# Altium PCB 物联网通用工装板V4(2).PcbDoc (part 1 of 2)
Units mil, origin at the board's own origin, x right, y up, seen from the top; angles counter-clockwise.
Board outline 5118.11 x 2283.5 mil, 2 copper layers (Top Layer, Bottom Layer); 260 components, 222 nets, 814 pads, 478 vias.
Unrouted connection lines stored in the file: 4.
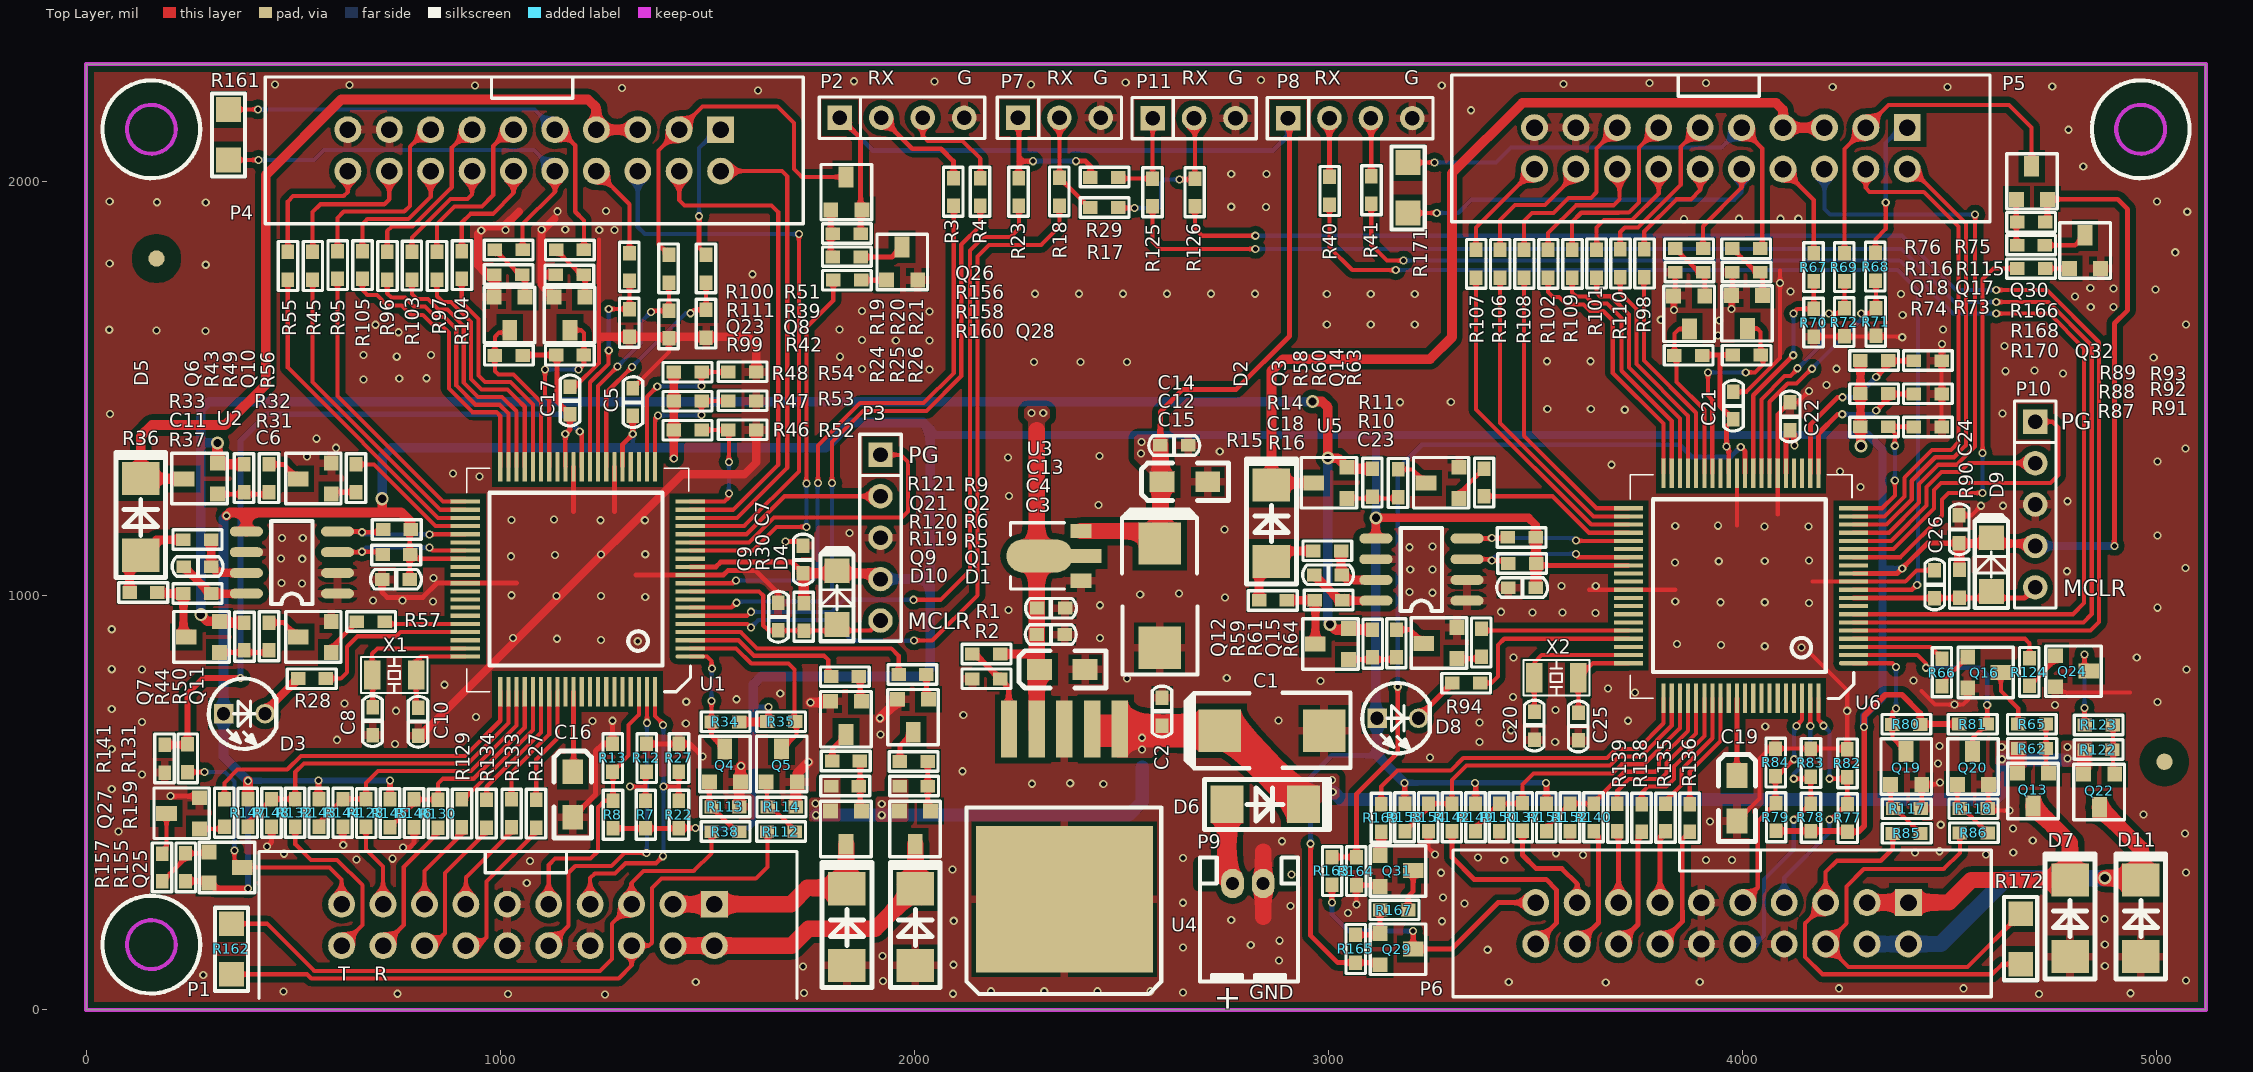
[diagram p0: Top Layer view]
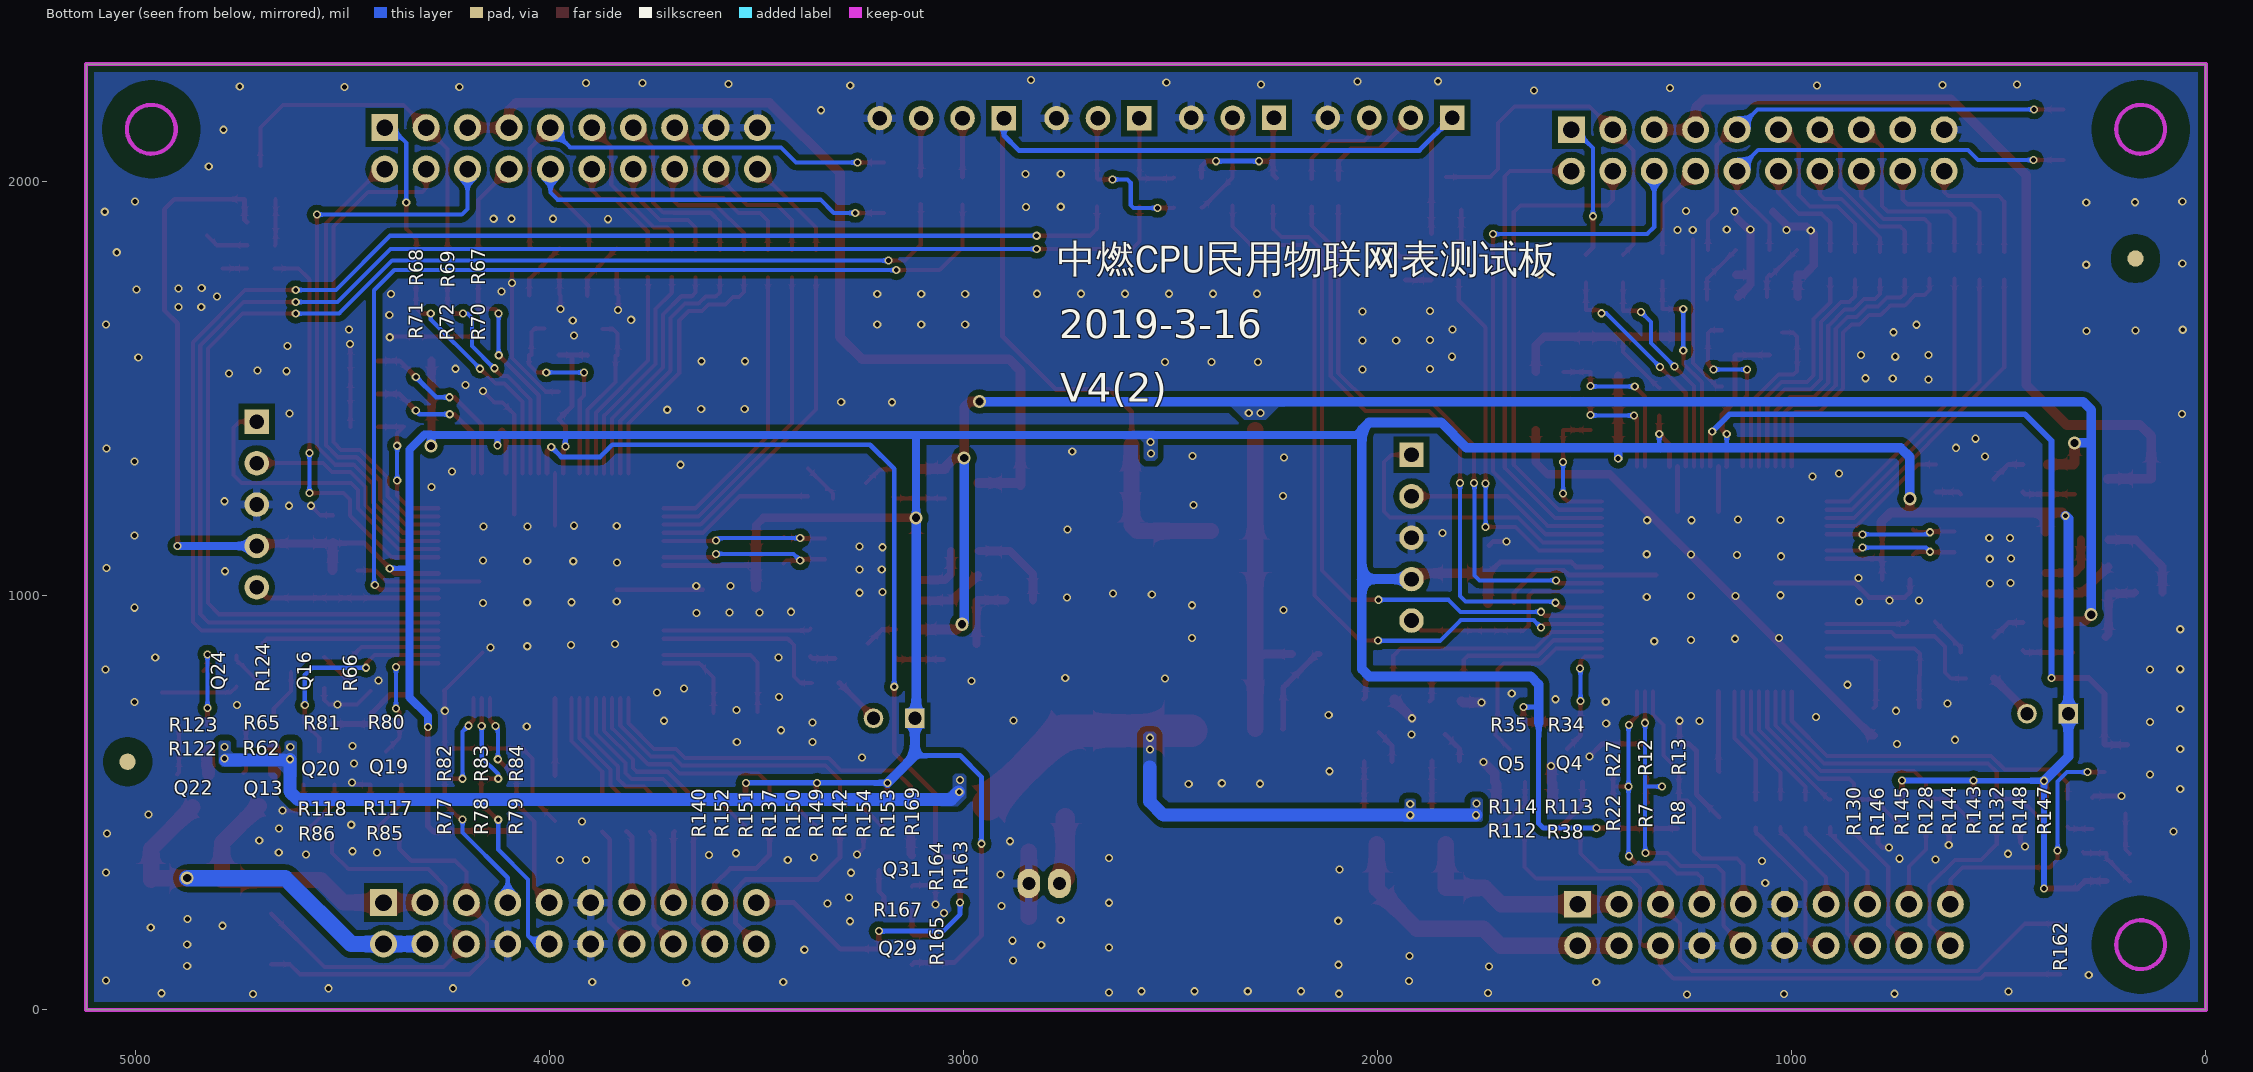
[diagram p1: Bottom Layer view, seen from below]

## Layer stack, top to bottom
Top Solder: solder mask 0.4, Solder Resist, Dk 3.5
Top Layer: signal copper 1.4
Dielectric 1: dielectric 12.6, FR-4, Dk 4.8
Bottom Layer: signal copper 1.4
Bottom Solder: solder mask 0.4, Solder Resist, Dk 3.5

## Board outline
0,-0.04 5118.11,-0.04 5118.11,2283.46 0,2283.46

## Design rules (kind name [scope] priority, off if disabled: settings)
Clearance Clearance_2 [OnLayer('Mid-Layer 2')] p1: gap=13.78 ignorepadtopadclearanceinfootprint=FALSE except(0: Arc-Hole Track-Hole SMDPad-Hole THPad-Hole Via-Hole Fill-Hole Poly-Hole Region-Hole Text-Hole)
Clearance Clearance_1 [OnLayer('Mid-Layer 1')] p2: gap=23.62 ignorepadtopadclearanceinfootprint=FALSE except(0: Arc-Hole Track-Hole SMDPad-Hole THPad-Hole Via-Hole Fill-Hole Poly-Hole Region-Hole Text-Hole)
Clearance Polygon [InPolygon] p3: gap=13.78 ignorepadtopadclearanceinfootprint=FALSE except(0: Arc-Hole Track-Hole SMDPad-Hole THPad-Hole Via-Hole Fill-Hole Poly-Hole Region-Hole Text-Hole)
Clearance [All] p4: gap=7.87 ignorepadtopadclearanceinfootprint=FALSE except(0: Arc-Hole Track-Hole SMDPad-Hole THPad-Hole Via-Hole Fill-Hole Poly-Hole Region-Hole Text-Hole)
ComponentClearance [All] p1 off: gap=10 collisioncheckmode=3 verticalgap=10 showdistances=FALSE
FabricationTestPointUsage TestPointUsage [All] p1: valid=0 allowmultiple=FALSE
FabricationTestpoint Testpoint [(IsPad And (OnTopLayer Or OnBottomLayer))] p1: side=3 testpointundercomponent=TRUE minsize=40 maxsize=100 preferedsize=60 minholesize=0 maxholesize=40 preferedholesize=32 testpointgrid=1 allowsidetop=TRUE allowsidebottom=TRUE usegrid=TRUE gridtolerance=0.01
HoleSize [All] p1: absolutevalues=TRUE maxlimit=393.7 minlimit=0.98 maxpercent=80.000 minpercent=20.000
HoleToHoleClearance [All] p1: gap=0 allowstackedmicrovias=TRUE
MinimumSolderMaskSliver [All] p1: minsoldermaskwidth=0
NetAntennae [All] p1 off: netantennaetolerance=0
PlaneConnect [InNet('GND')] p1: planeconnectstyle=Relief reliefexpansion=20 reliefentries=4 reliefconductorwidth=19.68 reliefairgap=10
PolygonConnect Polygon_Via [Isvia] p1: connectstyle=Direct reliefconductorwidth=10 reliefentries=4 polygonreliefangle="90 Angle" airgapwidth=10
PolygonConnect Polygon_GND [InNet('GND')] p2: connectstyle=Relief reliefconductorwidth=19.68 reliefentries=4 polygonreliefangle="90 Angle" airgapwidth=10
PolygonConnect Polygon_all [All] p3: connectstyle=Direct reliefconductorwidth=20 reliefentries=4 polygonreliefangle="90 Angle" airgapwidth=10
RoutingVias [All] p1: holewidth=11.81 width=19.68 viastyle="Through Hole" minholewidth=11.81 minwidth=19.68 maxholewidth=28 maxwidth=50
SilkToBoardRegionClearance [All] p1 off:
SilkToSilkClearance [All] p1: silktosilkclearance=0
SilkToSolderMaskClearance SilkscreenOverComponentPads [IsPad] p1: minsilkscreentomaskgap=0 clearancetoexposedcopper=TRUE
SolderMaskExpansion [All] p1: expansion=4
Width [All] p1: maxlimit=300 minlimit=8 preferedwidth=11.81 minimp=50.000000 maximp=50.000000 favimp=50.000000
19 further rules are at their usual default settings.

## Classes and differential pairs
component class 工装板V4(2)-A: C1 C2 C3 C4 C5 C6 C7 C8 C9 C10 C11 C12 C13 C14 C15 C16 C17 D1 D3 D4 D5 D6 D10 P1 P3 P4 P7 P9 Q1 Q2 Q4 Q5 Q6 Q7 Q8 Q9 Q10 Q11 Q21 Q23 Q25 Q26 Q27 Q28 R1 R2 R5 R6 R7 R8 R9 R13 R18 R19 R20 R21 R22 R23 R24 R25 R26 R27 R28 R30 R31 R32 R33 R34 R35 R36 R37 R38 R39 R42 R43 R44 R45 R46 R47 R48 R49 R50 R51 R52 R53 R54 R55 R56 R57 R95 R96 R97 R99 R100 R103 R104 R105 R111 R112 R113 R114 R119 R120 R121 R127 R128 R129 R130 R131 R132 R133 R134 R141 R143 R144 R145 R146 R147 R148 R155 R156 R157 R158 R159 R160 R161 R162 U1 U2 U3 U4 X1
component class 工装板V4(2)-B: C18 C19 C20 C21 C22 C23 C24 C25 C26 D2 D7 D8 D9 D11 P5 P6 P8 P10 P11 Q3 Q12 Q13 Q14 Q15 Q16 Q17 Q18 Q19 Q20 Q22 Q24 Q29 Q30 Q31 Q32 R10 R11 R14 R15 R16 R17 R29 R40 R41 R58 R59 R60 R61 R62 R63 R64 R65 R66 R67 R68 R69 R70 R71 R72 R73 R74 R75 R76 R77 R78 R79 R80 R81 R82 R83 R84 R85 R86 R87 R88 R89 R90 R91 R92 R93 R94 R98 R101 R102 R106 R107 R108 R109 R110 R115 R116 R117 R118 R122 R123 R124 R125 R126 R135 R136 R137 R138 R139 R140 R142 R149 R150 R151 R152 R153 R154 R163 R164 R165 R166 R167 R168 R169 R170 R171 R172 U5 U6 X2

## Components (designator, comment, footprint, x,y, rotation, side; value= is the part's Value field where it differs from the comment)
C1 "220uF/10V" 7343 2863,674 r0 top
C2 "0.1uF" C0603 2598,753 r270 top
C3 "220uF/10V" 3216 2302,822 r180 top
C4 "1uF" C0603 2362,906 r180 top
C5 "0.1uF" C0603 1320,1434.49 r90 top
C6 "0.1uF" C0603 781,1039 r180 top
C7 "0.1uF" C0603 1731,1054.49 r90 top
C8 "22pF" C0603 692,730 r270 top
C9 "0.1uF" C0603 1671,916.49 r90 top
C10 "22pF" C0603 802,728.49 r270 top
C11 "0.1uF" C0603 302,1070 r180 top
C12 "10uF/16V" 3216 2598,1275 r180 top
C13 "0.1uF" C0603 2297,970 r0 top
C14 "0.1uF" C0603 2594.49,1363 r0 top
C15 "220uF" 7343 2592,1000 r270 top
C16 "10uF/16V" 3216 1175,575 r90 top
C17 "0.1uF" C0603 1168,1438.49 r90 top
C18 "0.1uF" C0603 3031.51,1050 r180 top
C19 "10uF/16V" 3216 3986,566 r90 top
C20 "22pF" C0603 3497,719 r270 top
C21 "0.1uF" C0603 3977,1426 r90 top
C22 "0.1uF" C0603 4114,1400 r90 top
C23 "0.1uF" C0603 3500,1019 r180 top
C24 "0.1uF" C0603 4522,1127.49 r90 top
C25 "22pF" C0603 3603,717 r270 top
C26 "0.1uF" C0603 4463,994.49 r90 top
D1 "SS12" DO-214AC 2002,200 r90 top
D2 "SS12" DO-214AC 2862,1175 r90 top
D3 "RED" LED-3mm 332,715 r90 top
D4 "1N4148" LL34 1813,995 r90 top
D5 "SS12" DO-214AC 132,1190 r90 top
D6 "SS12" DO-214AC 2847,496 r0 top
D7 "SS12" DO-214AC 4790,221 r90 top
D8 "RED" LED-3mm 3117,704 r90 top
D9 "1N4148" LL34 4600,1075 r90 top
D10 "SS12" DO-214AC 1837,200 r90 top
D11 "SS12" DO-214AC 4961,221 r90 top
P1 "" PHD254_2X10P 1067,205 r270 top locked
P2 "Header 4" HDR1X4 1820,2154 r0 top
P3 "Header 5" HDR1X5 1918,1340 r270 top
P4 "" PHD254_2X10P 1082,2075 r270 top
P5 "" PHD254_2X10P 3947,2080 r270 top locked
P6 "" PHD254_2X10P 3950,209 r270 top locked
P7 "Header 3" HDR1X3 2250,2154 r0 top
P8 "Header 4" HDR1X4 2902,2153 r0 top
P9 "Header 2" XH-2-2.0-V-S 2847,305 r0 top
P10 "Header 5" HDR1X5 4706,1420 r270 top
P11 "Header 3" HDR1X3 2575,2153 r0 top
Q1 "RZR040P01TL" SOT-23-MOS 2002,445 r180 top
Q2 "9013" SOT-23-TRAN 1997,715 r180 top
Q3 "RZR040P01TL" SOT-23-MOS 3009,1272 r90 top
Q4 "9013" SOT-23-TRAN 1542,585 r0 top
Q5 "9013" SOT-23-TRAN 1679,585 r0 top
Q6 "RZR040P01TL" SOT-23-MOS 282,1282 r90 top
Q7 "RZR040P01TL" SOT-23-MOS 287,900 r90 top
Q8 "9013" SOT-23-TRAN 1168,1686 r180 top
Q9 "RZR040P01TL" SOT-23-MOS 1835,445 r180 top
Q10 "9013" SOT-23-TRAN 557,1282 r90 top
Q11 "9013" SOT-23-TRAN 557,900 r90 top
Q12 "RZR040P01TL" SOT-23-MOS 3013,883 r90 top
Q13 "RZR040P01TL" SOT-23-MOS 4701,537 r180 top
Q14 "9013" SOT-23-TRAN 3280,1272 r90 top
Q15 "9013" SOT-23-TRAN 3275,885 r90 top
Q16 "9013" SOT-23-TRAN 4578,815 r270 top
Q17 "9013" SOT-23-TRAN 4011,1690 r180 top
Q18 "9013" SOT-23-TRAN 3871,1689 r180 top
Q19 "9013" SOT-23-TRAN 4394,579 r0 top
Q20 "9013" SOT-23-TRAN 4555,579 r0 top
Q21 "9013" SOT-23-TRAN 1835,710 r180 top
Q22 "RZR040P01TL" SOT-23-MOS 4861,534 r180 top
Q23 "9013" SOT-23-TRAN 1023,1686 r180 top
Q24 "9013" SOT-23-TRAN 4790,818 r270 top
Q25 "RZR040P01TL" SOT-23-MOS 332,344 r270 top
Q26 "RZR040P01TL" SOT-23-MOS 1835,1966 r0 top
Q27 "9013" SOT-23-TRAN 239,474 r90 top
Q28 "9013" SOT-23-TRAN 1970,1797 r0 top
Q29 "RZR040P01TL" SOT-23-MOS 3159,147 r270 top
Q30 "RZR040P01TL" SOT-23-MOS 4697.42,1992 r0 top
Q31 "9013" SOT-23-TRAN 3159,336 r270 top
Q32 "9013" SOT-23-TRAN 4826,1825 r0 top
R1 "200K" R0603 2207,859 r180 top
R2 "30K" R0603 2207,799 r180 top
R3 "1K" R0603 2094,2008 r270 top
R4 "1K" R0603 2159,2008 r270 top
R5 "10k" R0603 2032,540 r180 top
R6 "10k" R0603 1965,600 r0 top
R7 "1M" R0603 1351,438 r90 top
R8 "1M" R0603 1272,438 r90 top
R9 "3k" R0603 1962,810 r0 top
R10 "10k" R0603 3434,1078 r0 top
R11 "10K" R0603 3433,1141 r0 top
R12 "100K" R0603 1353,575 r90 top
R13 "100K" R0603 1271,575 r90 top
R14 "10" R0603 3030,1108 r180 top
R15 "100" R0603 2832,989 r0 top
R16 "10" R0603 3033,989 r180 top
R17 "5R1" R0603 2492,1937 r180 top
R18 "5R1" R0603 2350,2009 r270 top
R19 "1M" R0603 1312,1827 r270 top
R20 "1M" R0603 1407,1823 r270 top
R21 "1M" R0603 1497,1823 r270 top
R22 "1M" R0603 1431,438 r90 top
R23 "5R1" R0603 2252,2008 r270 top
R24 "100K" R0603 1312,1692 r270 top
R25 "100K" R0603 1407,1688 r270 top
R26 "100K" R0603 1497,1690 r270 top
R27 "100K" R0603 1431,575 r90 top
R28 "100R" R0603 512,800 r0 top
R29 "5R1" R0603 2492,2010 r180 top
R30 "10k" R0603 1733,982 r270 top
R31 "10k" R0603 716,1099 r0 top
R32 "10K" R0603 717,1160 r0 top
R33 "10" R0603 302,1135 r180 top
R34 "10k" R0603 1577,695 r180 top
R35 "10k" R0603 1645,696 r0 top
R36 "100" R0603 105,1008 r0 top
R37 "10" R0603 302,1005 r180 top
R38 "3k" R0603 1577,430 r180 top
R39 "20k" R0603 1134,1775 r0 top
R40 "1k" R0603 3002,1944 r90 top
R41 "1k" R0603 3103,1946 r90 top
R42 "10k" R0603 1135,1581 r0 top
R43 "10k" R0603 382,1317 r270 top
R44 "10k" R0603 382,868 r90 top
R45 "1k" R0603 547,1763 r90 top
R46 "20k" R0603 1419,1400 r0 top
R47 "20k" R0603 1419,1470 r0 top
R48 "20k" R0603 1419,1540 r0 top
R49 "10k" R0603 442,1317 r270 top
R50 "10k" R0603 442,935 r270 top
R51 "3k" R0603 1135,1835 r0 top
R52 "0R" R0603 1618,1400 r180 top
R53 "0R" R0603 1618,1470 r180 top
R54 "0R" R0603 1618,1540 r180 top
R55 "1k" R0603 487,1763 r90 top
R56 "3k" R0603 652,1317 r270 top
R57 "3k" R0603 721,937 r180 top
R58 "10k" R0603 3106,1306 r270 top
R59 "10k" R0603 3106,851 r90 top
R60 "10k" R0603 3168,1305 r270 top
R61 "10k" R0603 3164,918 r270 top
R62 "10k" R0603 4732,631 r180 top
R63 "3k" R0603 3375,1240 r90 top
R64 "3k" R0603 3369,920 r270 top
R65 "10k" R0603 4665,690 r0 top
R66 "3k" R0603 4481,848 r270 top
R67 "1M" R0603 4171.35,1826.44 r270 top
R68 "1M" R0603 4320.35,1827.44 r270 top
R69 "1M" R0603 4245.5,1826.44 r270 top
R70 "100K" R0603 4171.35,1692.44 r270 top
R71 "100K" R0603 4321.35,1694.44 r270 top
R72 "100K" R0603 4245.35,1693.44 r270 top
R73 "10k" R0603 3976,1581 r0 top
R74 "10k" R0603 3902,1580 r180 top
R75 "3k" R0603 3975,1838 r0 top
R76 "3k" R0603 3837,1838 r0 top
R77 "1M" R0603 4253,430 r90 top
R78 "1M" R0603 4164,431 r90 top
R79 "1M" R0603 4080,432 r90 top
R80 "10k" R0603 4428,689 r180 top
R81 "10k" R0603 4522,690 r0 top
R82 "100K" R0603 4252,562 r90 top
R83 "100K" R0603 4164,563 r90 top
R84 "100K" R0603 4079,564 r90 top
R85 "3k" R0603 4429,426 r180 top
R86 "3k" R0603 4591,427 r180 top
R87 "20k" R0603 4284,1408 r0 top
R88 "20k" R0603 4284,1488 r0 top
R89 "20k" R0603 4284,1568 r0 top
R90 "10k" R0603 4523,1062 r270 top
R91 "0R" R0603 4480,1407 r180 top
R92 "0R" R0603 4480,1487 r180 top
R93 "0R" R0603 4480,1567 r180 top
R94 "100R" R0603 3299,789 r0 top
R95 "1k" R0603 607,1765 r90 top
R96 "1k" R0603 727,1763 r90 top
R97 "1k" R0603 847,1763 r90 top
R98 "1k" R0603 3762,1769 r90 top
R99 "10k" R0603 1054,1580 r180 top
R100 "3k" R0603 987,1835 r0 top
R101 "1k" R0603 3647,1835 r270 top
R102 "1k" R0603 3530,1768 r90 top
R103 "1k" R0603 787,1830 r270 top
R104 "1k" R0603 907,1765 r90 top
R105 "1k" R0603 667,1765 r90 top
R106 "1k" R0603 3414,1768 r90 top
R107 "1k" R0603 3356,1768 r90 top
R108 "1k" R0603 3472,1768 r90 top
R109 "1k" R0603 3588,1768 r90 top
R110 "1k" R0603 3704,1769 r90 top
R111 "20k" R0603 1053,1775 r180 top
R112 "3k" R0603 1711,430 r180 top
R113 "20k" R0603 1510,490 r0 top
R114 "20k" R0603 1646,490 r0 top
R115 "20k" R0603 4042,1781 r180 top
R116 "20k" R0603 3904,1781 r180 top
R117 "20k" R0603 4363,486 r0 top
R118 "20k" R0603 4524,486 r0 top
R119 "10k" R0603 1866,540 r180 top
R120 "10k" R0603 1801,601 r0 top
R121 "3k" R0603 1799,805 r0 top
R122 "10k" R0603 4892,628 r180 top
R123 "10k" R0603 4826,688 r0 top
R124 "3k" R0603 4692,849 r270 top
R125 "5R1" R0603 2575,2007 r270 top
R126 "5R1" R0603 2677,2007 r270 top
R127 "5R1" R0603 1087,507 r270 top
R128 "5R1" R0603 676,442 r90 top
R129 "5R1" R0603 907,441 r90 top
R130 "5R1" R0603 850,507 r270 top
R131 "1M" R0603 245,574 r90 top
R132 "5R1" R0603 505,509 r270 top
R133 "5R1" R0603 1027,441 r90 top
R134 "5R1" R0603 967,507 r270 top
R135 "5R1" R0603 3813,431 r90 top
R136 "5R1" R0603 3872,497 r270 top
R137 "5R1" R0603 3468,432 r90 top
R138 "5R1" R0603 3756,497 r270 top
R139 "5R1" R0603 3697,431 r90 top
R140 "5R1" R0603 3640,498 r270 top
R141 "100K" R0603 190,640 r270 top
R142 "5R1" R0603 3298,498 r270 top
R143 "1M" R0603 562,509 r270 top
R144 "100K" R0603 620,509 r270 top
R145 "1M" R0603 734,508 r270 top
R146 "100K" R0603 792,508 r270 top
R147 "1M" R0603 391,509 r270 top
R148 "100K" R0603 448,509 r270 top
R149 "1M" R0603 3355,498 r270 top
R150 "100K" R0603 3412,498 r270 top
R151 "1M" R0603 3526,498 r270 top
R152 "100K" R0603 3583,498 r270 top
R153 "1M" R0603 3184,498 r270 top
R154 "100K" R0603 3241,498 r270 top
R155 "10k" R0603 240,311 r90 top
R156 "10k" R0603 1870,1874 r180 top
R157 "10k" R0603 184,377 r270 top
R158 "10k" R0603 1870,1818 r180 top
R159 "3k" R0603 334,509 r270 top
R160 "3k" R0603 1804,1762 r0 top
R161 "300R" R1206 344,2112 r270 top
R162 "300R" R1206 351,146 r270 top
R163 "1M" R0603 3008,302 r90 top
R164 "100K" R0603 3067,368 r270 top
R165 "10k" R0603 3065,114 r90 top
R166 "10k" R0603 4663,1902 r0 top
R167 "10k" R0603 3192,241 r180 top
R168 "10k" R0603 4729,1846 r180 top
R169 "3k" R0603 3127,497 r270 top
R170 "3k" R0603 4663,1790 r0 top
R171 "300R" R1206 3192,1984 r270 top
R172 "300R" R1206 4671,172 r90 top
U1 "PIC24FJ128GA308" LQFP-80 1187,1040 r180 top
U2 "INA219" SO-8 607,1005 r180 top
U3 "S-1206B33" SOT-89 2402,1036 r90 top
U4 "SPX29302T5" TO-263 2495.86,678.42 r180 top value=1K
U5 "INA219" SO-8 3334,988 r180 top
U6 "PIC24FJ128GA308" LQFP-80 3995.65,1024.01 r180 top
X1 "32.768K" XTAL-2S 797,808.49 r180 top
X2 "32.768K" XTAL-2S 3603,802 r180 top

## Footprints (in the part's own frame and the unit in brackets; to place one, negate y for a bottom-side part, rotate by r counter-clockwise, add the part's x,y. Pads: shape width x height; smd on the part's side, far side on the other; paste and mask are expansions set on the pad)
3216 [mil]
  rect 60x50 smd: 1(0,0) 2(-110,0)
  silkscreen extent -160,-45 50,45, body extent -122,-35 12,35, height 71
7343 [mm] "Capacitor, SM Tantalum; Body 7.3 x 4.3 mm (LxW typ)"
  rect 2.6x2.6 smd: 1(-3.2,0) 2(3.2,0)
  silkscreen extent -5.28,-2.3 4.83,2.33, body extent -3.8,-2.29 3.8,2.31, height 3.1
C0603 [mil]
  rect 35x31 smd: 1(-0.49,0) 2(66.51,0)
  silkscreen extent -29,-24 94,23, body extent 1,-15 72,15, height 20
DO-214AC [mil]
  rect 80x90.55 smd: 1(-92.5,0) 2(92.5,0)
  silkscreen extent -146,-60 156,60, body extent -91,-53 90,53, height 94
HDR1X3 [mm] "Connector; Header; 3 Position"
  rect 1.5x1.5 hole 0.9: 1(0,0)
  round 1.5 hole 0.9: 2(2.54,0) 3(5.08,0)
  silkscreen extent -1.27,-1.27 6.35,1.27
HDR1X4 [mm] "Connector; Header; 4 Position"
  rect 1.5x1.5 hole 0.9: 1(0,0)
  round 1.5 hole 0.9: 2(2.54,0) 3(5.08,0) 4(7.62,0)
  silkscreen extent -1.27,-1.27 8.89,1.27, body extent -1.3,-1.3 8.86,1.24, height 8.54
HDR1X5 [mm] "Connector; Header; 5 Position"
  rect 1.5x1.5 hole 0.9: 1(0,0)
  round 1.5 hole 0.9: 2(2.54,0) 3(5.08,0) 4(7.62,0) 5(10.16,0)
  silkscreen extent -1.27,-1.27 11.43,1.27, body extent -1.27,-1.27 11.43,1.27, height 8.54
LED-3mm [mm]
  rect 1.2x1.2 hole 0.813: 1(0,0)
  round 1.2 hole 0.813: 2(0,-2.54)
  silkscreen extent -2.16,-3.23 2.16,0.91, body extent -1.65,-2.91 1.64,0.39, height 5.51
LL34 [mil] "1N4148"
  rect 60x60 smd: 1(-65,0) 2(65,0)
  silkscreen extent -105,-40 120,40, body extent -69,-34 69,26, height 61
LQFP-80 [mm]
  oval 1.8x0.254 smd: 1(-6.9,4.75)
  rect 1.8x0.254 smd: 2(-6.9,4.25) 3(-6.9,3.75) 4(-6.9,3.25) 5(-6.9,2.75) 6(-6.9,2.25) 7(-6.9,1.75) 8(-6.9,1.25) 9(-6.9,0.75) 10(-6.9,0.25) 11(-6.9,-0.25) 12(-6.9,-0.75) 13(-6.9,-1.25) 14(-6.9,-1.75) 15(-6.9,-2.25) 16(-6.9,-2.75) 17(-6.9,-3.25) 18(-6.9,-3.75) 19(-6.9,-4.25) 20(-6.9,-4.75) 41(6.9,-4.75) 42(6.9,-4.25) 43(6.9,-3.75) 44(6.9,-3.25) 45(6.9,-2.75) 46(6.9,-2.25) 47(6.9,-1.75) 48(6.9,-1.25) 49(6.9,-0.75) 50(6.9,-0.25) 51(6.9,0.25) 52(6.9,0.75) 53(6.9,1.25) 54(6.9,1.75) 55(6.9,2.25) 56(6.9,2.75) 57(6.9,3.25) 58(6.9,3.75) 59(6.9,4.25) 60(6.9,4.75)
  rect 0.254x1.8 smd: 21(-4.75,-6.9) 22(-4.25,-6.9) 23(-3.75,-6.9) 24(-3.25,-6.9) 25(-2.75,-6.9) 26(-2.25,-6.9) 27(-1.75,-6.9) 28(-1.25,-6.9) 29(-0.75,-6.9) 30(-0.25,-6.9) 31(0.25,-6.9) 32(0.75,-6.9) 33(1.25,-6.9) 34(1.75,-6.9) 35(2.25,-6.9) 36(2.75,-6.9) 37(3.25,-6.9) 38(3.75,-6.9) 39(4.25,-6.9) 40(4.75,-6.9) 61(4.75,6.9) 62(4.25,6.9) 63(3.75,6.9) 64(3.25,6.9) 65(2.75,6.9) 66(2.25,6.9) 67(1.75,6.9) 68(1.25,6.9) 69(0.75,6.9) 70(0.25,6.9) 71(-0.25,6.9) 72(-0.75,6.9) 73(-1.25,6.9) 74(-1.75,6.9) 75(-2.25,6.9) 76(-2.75,6.9) 77(-3.25,6.9) 78(-3.75,6.9) 79(-4.25,6.9) 80(-4.75,6.9)
  silkscreen extent -6.92,-6.81 6.8,6.91, body extent -7.1,-7.1 7.1,7.1, height 1.6
PHD254_2X10P [mil]
  rect 65x65 hole 40: 1(-50,450)
  round 65 hole 40: 2(50,450) 3(-50,350) 4(50,350) 5(-50,250) 6(50,250) 7(-50,150) 8(50,150) 9(-50,50) 10(50,50) 11(-50,-50) 12(50,-50) 13(-50,-150) 14(50,-150) 15(-50,-250) 16(50,-250) 17(-50,-350) 18(50,-350) 19(-50,-450) 20(50,-450)
  silkscreen extent -177,-650 177,650
R0603 [mil]
  rect 35x31 smd: 1(0,0) 2(67,0)
  silkscreen extent -26,-24 92,23, body extent 0,-15 71,15, height 12
R1206 [mil]
  rect 60x60 smd: 1(-62,0) 2(60.05,0)
  silkscreen extent -101,-40 100,40, body extent -102,-29 91,29, height 20
SO-8 [mil]
  oval 80x24 smd: 1(0,0) 2(0,-50) 3(0,-100) 4(0,-150) 5(220,-150) 6(220,-100) 7(220,-50) 8(220,0)
  silkscreen extent 60,-175 160,25, body extent -7,-171 229,21, height 67
SOT-23-MOS [mil]
  rect 36x50 smd: D(0,45)
  rect 36x36 smd: G(-37,-35) S(38,-35)
  silkscreen extent -60,-59 62,75, body extent -60,-41 58,57, height 41
SOT-23-TRAN [mil]
  rect 36x36 smd: B(-37,-35) E(38,-35)
  rect 36x50 smd: C(0,45)
  silkscreen extent -60,-59 62,75, body extent -60,-41 58,57, height 41
SOT-89 [mil]
  rect 34x50 smd: 1(0,0) 3(120,0)
  oval 80x160 smd: 2(60,100)
  rect 34x100 smd: 2(60,0)
  silkscreen extent -20,40 140,170, body extent -29,-3 149,155, height 59
TO-263 [mm]
  rect 1x3.5 smd: 1(0,0) 2(1.7,0) 3(3.4,0) 4(5.1,0) 5(6.8,0)
  rect 10.85x9 smd: 6(3.4,10.45)
  silkscreen extent -2.54,4.83 9.4,16.26, body extent -1.75,-1.07 8.55,14.16, height 4.5
XH-2-2.0-V-S [mm]
  oval 1.4x1.8 hole 0.8: 1(-0.127,0) 2(-2,0)
  silkscreen extent -4,-6 2,1.6, body extent -4.06,-5.84 1.91,1.4, height 5
XTAL-2S [mm]
  rect 1x1.8 smd: 1(0,0) 2(2.7,0)
  silkscreen extent -0.69,-1.09 3.38,1.09, body extent -0.25,-0.99 2.95,0.99, height 0.7

## Part data
C1 C3 C12 C16 C19: library part CAP-POL2, "钽电容"
C2 C4 C5 C6 C7 C8 C9 C10 C11 C13 C14 C17 C18 C20 C21 C22 C23 C24 C25 C26: library part CAP, "无极性电容"
C15: library part CAP-POL1, "电解电容"
D1 D2 D5 D7 D10 D11: library part "D-Sotk   PASS", "肖特基二极管"
D3 D8: library part LED
D4 D9: library part DIODE, "Diode"
D6: library part D-Sotk, "肖特基二极管"
P1 P4 P5 P6: library part "Header 10X2  PASS", "Header, 10-Pin, Dual row"
P2 P8: "Header, 4-Pin"
P3 P10: "Header, 5-Pin"
P7 P11: "Header, 3-Pin"
P9: "Header, 2-Pin"
Q1 Q3 Q6 Q7 Q9 Q12 Q13 Q22 Q25 Q26 Q29 Q30: library part MOS-P, "P-channel  MOSFET"
Q2 Q4 Q5 Q8 Q10 Q11 Q14 Q15 Q16 Q17 Q18 Q19 Q20 Q21 Q23 Q24 Q27 Q28 Q31 Q32: library part NPN-S, "NPN Transistor"
R1 R2: library part RES2
R3 R4 R5 R6 R7 R8 R9 R10 R11 R12 R13 R14 R15 R16 R17 R18 R19 R20 R21 R22 R23 R24 R25 R26 R27 R28 R29 R30 R31 R32 R33 R34 R35 R36 R37 R38 R39 R42 R43 R44 R45 R49 R50 R51 R55 R56 R57 R58 R59 R60 R61 R62 R63 R64 R65 R66 R67 R68 R69 R70 R71 R72 R73 R74 R75 R76 R77 R78 R79 R80 R81 R82 R83 R84 R85 R86 R90 R94 R95 R96 R97 R98 R99 R100 R101 R102 R103 R104 R105 R106 R107 R108 R109 R110 R111 R112 R113 R114 R115 R116 R117 R118 R119 R120 R121 R122 R123 R124 R125 R126 R127 R128 R129 R130 R131 R132 R133 R134 R135 R136 R137 R138 R139 R140 R141 R142 R143 R144 R145 R146 R147 R148 R149 R150 R151 R152 R153 R154 R155 R156 R157 R158 R159 R160 R161 R162 R163 R164 R165 R166 R167 R168 R169 R170 R171 R172: library part RES
R40: library part Pro28.tmp_UnNamed_37
R41: library part RES11
R46 R47 R48 R52 R53 R54 R87 R88 R89 R91 R92 R93: library part RES, "电阻"
U1 U6: library part PIC24FJ64GA308
U2 U5: library part Component_2
U3: library part VOLTRER1
X1 X2: library part XTAL1, "晶振,2PIN"
U4: LatestRevisionDate=04-Mar-2005, LatestRevisionNote="PCB Footprint replaced.", PackageReference=J1-0603, Published=8-Jun-2000, Publisher="Altium Limited"

## Free pads (board coordinates)
  round 39.37 smd: 0(170,1814) 0(5018,599)
  round 39.37 smd far side: 1(170,1814) 1(5018,599)

## Via types
v1: diameter 19.68, hole 11.81, Top Layer to Bottom Layer, tented both sides, 469 vias
v2: diameter 31.5, hole 19.68, Top Layer to Bottom Layer, tented both sides, 9 vias

## Nets (pads, with @x,y where several pads share a name; then routed paths per layer and width w, separated by ;. In a path a pad name is that pad's centre, name@x,y a point inside that pad or via, vN(x,y) a via of type N, cw(c..) or ccw(c..) an arc to the next point about the centre after c; other vN are vias at no path point)
3.3V: C5.1 C6.1 C7.1 C12.1 C14.1 C15.1 C17.1 C21.1 C22.1 C23.1 C24.1 D3.1 D4.2 D8.1 D9.2 P2.1 P3.4 P8.1 P10.4 Q25.S Q26.S Q29.S Q30.S R7.1 R8.1 R10.2 R11.2 R22.1 R30.1 R31.2 R32.2 R34.1 R35.1 R42.1 R46.1 R47.1 R48.1 R73.1 R74.1 R77.1 R78.1 R79.1 R80.1 R81.1 R87.1 R88.1 R89.1 R90.1 R99.1 R143.1 R145.1 R147.1 R149.1 R151.1 R153.1 R155.1 R156.1 R165.1 R166.2 U1.12 U1.25 U1.32 U1.48 U2.5 U3.3 U5.5 U6.12 U6.25 U6.32 U6.48 | length 19410.3
  Top Layer w11.81: C6.1@781.49,1039 R32.2@781.49,1152.51 ; R31.2@783,1099 783,1090.51 781.7,1089.21 U1.48@915.35,1089.21 ; R99.1@1054,1581 R42.1@1135,1581 1136.88,1579.12 1136.88,1469.12 C17.1@1168,1438 1168,1401 v1(1157,1390) 1157,1312.13 U1.32@1157.47,1311.65 ; R8.1@1276,438 R7.1@1351,438 R22.1@1427,438 ; U1.25@1295.27,1311.65 1295.27,1365.27 v1(1320,1390) C5.1@1320,1434 ; R22.1@1431,438 1432,439 v1(1471,439) ; U1.12@1458.65,1069.53 1520.53,1069.53 1532,1081 1704,1081 C7.1@1731,1054 ; 1612,695 1613,696 ; R35.1@1648,696 v1(1648,731) ; P2.1@1820,2154 1870,2104 R156.1@1870,1874 ; C14.1@2594,1363 2594,1444 2648,1498 2777,1498 2905.59,1626.59 2905.59,2149.41 P8.1@2902,2153 ; v1(2956.62,401) 2956.62,179.38 3022,114 R165.1@3065,114 3119,114 Q29.S@3124,109 ; R10.2@3501,1078 3505.78,1073.22 U6.48@3724,1073.22 ; R74.1@3907,1580 3908,1581 3948,1581 ; U6.32@3966.13,1295.66 3966.13,1354.87 v1(3961,1360) 3961,1409.51 C21.1@3977,1425.51 3945,1457.51 3945,1578 3948,1581 ; R73.1@3976,1581 3948,1581 ; U6.25@4103.92,1295.66 4103.92,1390.43 C22.1@4113,1399.51 ; U6.12@4267.31,1053.53 4372.53,1053.53 v1(4385,1066) 4446,1127 C24.1@4522,1127 ; R166.2@4730,1902 4735.42,1907.42 Q30.S@4735.42,1957 4905,1957 4929,1933 4929,1689 4897,1657 v1@4897,1127
  Top Layer w13.78: R155.1@240,311 292,311 Q25.S@297,306 310,293 v1(391,293) ; v1(561,554) 561,510 R143.1@562,509 ; R145.1@734,508 v1(734,554) ; v1(3183,548) 3184,547 R153.1@3184,498 ; v1(3353,548) 3355,546 R149.1@3355,498 ; v1(3525,548) 3526,547 R151.1@3526,498 ; R79.1@4080,432 4251,432 R77.1@4253,430 4279,430 4293,444 v1(4293,683) 4293,710 4344,761 4384,761 4428,717 R80.1@4428,689 4429,690 R81.1@4522,690 ; C22.1@4114,1399.51 4125,1388.51 v1(4125,1363)
  Top Layer w19.68: v1(1419,1331) R46.1@1419,1400 R48.1@1419,1531 ; R34.1@1577,695 1612,695 1647,695 R35.1@1648,696 ; U5.5@3114,1138 v2(3114,1188) 3483,1188 3500,1171 R11.2@3500,1141 ; R89.1@4284,1568 R88.1@4284,1488 4284,1362 v2(4285,1361) ; C24.1@4523,1126 4700,1126 P10.4@4706,1120
  Top Layer w23.62: v1(339,1193) 347,1201 387,1201 ; U2.5@387,1155 387,1201 ; R147.1@391,509 v1(391,553) ; v2(715,1234) 715,1203 717,1201 ; R32.2@784,1160 784,1178 761,1201 717,1201 ; R30.1@1733,982 1733,1052 C7.1@1731,1054 1904,1054 P3.4@1918,1040 ; R11.2@3500,1141 3500.49,1140.51 C23.1@3500.49,1019 ; C24.1@4522,1127 C24.1@4523,1126 ; R90.1@4523,1062 C24.1@4523,1120 ; 387,1201 717,1201
  Top Layer w39.37: U3.3@2402,1156 2580,1156 2594,1170 C14.1@2594,1363
  Bottom Layer w11.81: 1156,1357 1157,1358 v1(1157,1390) ; 1318,1357 1320,1359 v1(1320,1390) ; v1(1471,439) 1600,439 1611,450 1611,692 ; 1611,730 1612,731 v1(1648,731) ; P2.1@1820,2154 1899,2075 2866,2075 2902,2111 P8.1@2902,2153 ; v1(2956.62,401) 2956.62,562.62 3008,614 3117,614 ; 3954,1388 3961,1381 v1(3961,1360) ; 4337,1066 v1(4385,1066)
  Bottom Layer w13.78: v1(391,293) v1(391,553) 560,553 v1(561,554) v1(734,554) ; v1(3183,548) v1(3353,548) v1(3525,548) ; 4124,1388 4125,1387 v1(4125,1363)
  Bottom Layer w19.68: v1(1419,1331) 1419,1355 1421,1357 ; 2038,1401 2051,1388 3115,1388 ; v2(3114,1188) 3114,1387 3115,1388 ; v2(4285,1361) 4285,1388 ; v1(4293,683) 4293,710 4337,754 4337,1066 4337,1080 ; 4337,1083 4337,1353 4301,1389 4286,1389 4285,1388 ; P10.4@4706,1120 v1(4897,1120) ; 3115,1388 3954,1388 4124,1388 4285,1388
  Bottom Layer w23.62: v1(339,1193) 332,1186 D3.1@332,715 332,612 v1(391,553) ; v2(715,1234) 715,1335 737,1357 1156,1357 1318,1357 1421,1357 1785,1357 1846,1418 2021,1418 2038,1401 2038,1040 ; 1611,692 1611,730 1611,786 1630,805 2020,805 2038,823 2038,1040 ; P3.4@1918,1040 2038,1040 ; v2(3114,1188) 3114,714 D8.1@3124,704 ; D8.1@3117,704 3117,614 v1(3183,548)
  other v1: 2547,1343 2548,1371
5V0: R19.2 R24.1 U1.29 | length 514.8
  Top Layer w10: U1.29@1216.53,1311.65 1216.53,1515.25 1261,1559.72 v1@1261,1590 ; v1(1262,1692) R24.1@1312,1692 R19.2@1312,1760
  Bottom Layer w10: v1(1262,1592) v1(1262,1692)
5V0S: R67.2 R70.1 U6.29 | length 547.7
  Top Layer w10: U6.29@4025.18,1295.66 4025.18,1483.9 v1(4121.72,1580.44) ; v1(4122,1681) 4122,1683 4131.44,1692.44 R70.1@4171.35,1692.44 R67.2@4171.35,1759.44
  Bottom Layer w10: v1(4121.72,1580.44) 4122,1580.72 v1(4122,1681)
5V1: P4.8 R19.1 | length 231.1
  Top Layer w10: P4.8@1232,2025 1312,1945 R19.1@1312,1827
5V1S: P5.8 R67.1 | length 234.4
  Top Layer w10: P5.8@4097,2030 4171.35,1955.65 R67.1@4171.35,1826.44
5V2: P4.3 Q26.D R20.1 | length 894.7
  Top Layer w10: R20.1@1407,1823 1382,1848 1382,2075 P4.3@1432,2125 1488,2181 1669,2181 1709,2141 1709,2030 1728,2011 Q26.D@1835,2011
5V20: R20.2 R25.1 U1.28 | length 536.3
  Top Layer w10: U1.28@1236.21,1311.65 1236.21,1506.21 v1(1283,1553) ; v1@1365,1688 R25.1@1407,1688 R20.2@1407,1756
  Bottom Layer w10: v1(1283,1553) 1340,1610 1340,1661 v1(1364,1685)
5V20S: R69.2 R72.1 U6.28 | length 576.7
  Top Layer w10: U6.28@4044.87,1295.66 4044.87,1473.86 4101.01,1530 4115,1530 4132,1547 v1(4132,1549) ; v1(4208,1681) 4232.92,1681 R72.1@4245.35,1693.44 4245.35,1759.29 R69.2@4245.5,1759.44
  Bottom Layer w10: v1(4132,1549) 4133,1549 4186.65,1602.65 4186.65,1670.65 4197,1681 v1(4208,1681)
6V: C3.1 C4.2 C13.1 Q3.S Q6.S Q7.S Q12.S R1.1 R43.1 R44.2 R58.1 R59.2 U3.2 U4.4 | length 5056.1
  Top Layer w19.68: R1.1@2207,859 2295.07,859
  Top Layer w23.62: v2(277,954) 293,938 Q7.S@322,938 325,935 R44.2@382,935 ; v2(317,1369) Q6.S@317,1320 320,1317 R43.1@382,1317 ; v2(2961,1469) 2984,1469 2998,1455 v2(2998,1332) 3022,1332 Q3.S@3044,1310 ; v2(3003,931) 3016,918 R59.2@3106,918 ; Q3.S@3044,1306 R58.1@3106,1306
  Top Layer w39.37: U4.4@2295.07,678.42 2295.07,859 2295.07,1400.07
  Bottom Layer w23.62: v2(277,954) 277,1449 296,1468 v2@2961,1468 ; 280,1369 v2(317,1369) ; v2(2998,1332) 2998,936 v2(3003,931)
  other v1: 2283,1441 2311,1441
AD_TP7: R131.2 R141.1 U1.30 | length 1843.4
  Top Layer w10: v1(1192,1396) 1196.84,1391.16 U1.30@1196.84,1311.65
  Top Layer w13.78: R141.1@190,640 244,640 R131.2@245,641 245,763 283,801 v1(373,801)
  Bottom Layer w13.78: v1(373,801) 373,1374 437,1438 1150,1438 v1(1192,1396)
AD_TP7S: R163.2 R164.1 U6.30 | length 1980.8
  Top Layer w11.81: R163.2@3008,369 3066,369 R164.1@3067,368 3067,521 3167,621 v1(3167,780) ; v1(3995,1359) 4005.5,1348.5 U6.30@4005.5,1295.66
  Bottom Layer w11.81: v1(3167,780) 3167,1306 3225.38,1364.38 3847.62,1364.38 3877,1335 3971,1335 v1(3995,1359)
B: P4.10 R100.2 R161.2 | length 1041.4
  Top Layer w10: R161.2@344,2051.95 v1(416,2052) v1(416,2052) ; R100.2@1054,1835 1054,1897 1132,1975 P4.10@1132,2025
  Bottom Layer w10: v1(416,2052) 550,2052 574,2076 1081,2076 P4.10@1132,2025
B2: P1.6 R112.2 R162.2 | length 1599.9
  Top Layer w10: R162.2@351,85.95 533.77,85.95 543.6,76.13 1286.13,76.13 1317,107 P1.6@1317,155 1359,155 1366,162 1366,294 1389,317 1617,317 1645,345 R112.2@1645,430
B2S: P6.6 R86.2 R172.2 | length 1062.2
  Top Layer w10: R86.2@4524,427 4524,379 4485,340 4292,340 4250,298 4250,209 P6.6@4200,159 4255.13,103.87 4542.83,103.87 R172.2@4671,232.05
BS: P5.10 R76.2 R171.2 | length 1112.8
  Top Layer w10: R171.2@3192,1923.95 v1(3261,1924) v1(3261,1924) ; R76.2@3904,1838 3904,1892 3997,1985 P5.10@3997,2030
  Bottom Layer w10: v1(3261,1924) 3313,1924 3345,1956 3980,1956 3997,1973 P5.10@3997,2030
CARD_CHK_INTP4: P4.18 R45.2 | length 361.8
  Top Layer w10: R45.2@547,1830 547,1926 566,1945 720,1945 732,1957 P4.18@732,2025
CARD_CHK_INTP4S: P5.18 R106.2 | length 313
  Top Layer w10: R106.2@3414,1835 3414,1907 3450,1943 3522,1943 3597,2018 P5.18@3597,2030
CARD_ERR: P4.11 R97.2 | length 415.8
  Top Layer w10: R97.2@847,1830 847,1897 889.87,1939.87 955.47,1939.87 983,1967.4 983,2085.87 1022.13,2125 P4.11@1032,2125
CARD_ERRS: P5.11 R110.2 | length 392.7
  Top Layer w10: R110.2@3704,1836 3704,1878 3714.86,1888.86 3746.58,1888.86 3832.6,1974.87 3832.87,1974.87 3850,1992 3850,2083 P5.11@3897,2130
CARD_RST: P4.13 R96.2 | length 416.2
  Top Layer w10: R96.2@727,1830 727,1880 738.13,1891.13 787.85,1891.13 872.34,1975.62 872.62,1975.62 883,1986 883,2082 920,2119 920,2125 P4.13@932,2125
CARD_RSTS: P5.13 R109.2 | length 448.7
  Top Layer w10: R109.2@3588,1835 3588,1902.61 3610,1924.61 3700.05,1924.61 3700.19,1924.75 3724.75,1924.75 3749,1949 3749,2082 P5.13@3797,2130
CARD_SCL: P4.15 R95.2 | length 477
  Top Layer w10: R95.2@607,1832 607,1912 622.13,1927.13 768.13,1927.13 782,1941 782,2084 823,2125 P4.15@832,2125
CARD_SCLS: P5.15 R108.2 | length 450.3
  Top Layer w10: R108.2@3472,1835 3472,1905 3491,1924 3543,1924 3579.36,1960.36 3633.36,1960.36 3647,1974 3647,2080 P5.15@3697,2130
CARD_SDA_RXD3: P4.20 R55.2 | length 326.5
  Top Layer w10: R55.2@487,1830 487,1952 500,1965 622,1965 632,1975 P4.20@632,2025
CARD_SDA_RXD3S: P5.20 R107.2 | length 253.4
  Top Layer w10: R107.2@3356,1835 3356,1889 P5.20@3497,2030
CHK_CARD_CHK_INTP4: R45.1 U1.42 | length 743.2
  Top Layer w10: R45.1@547,1763 547,1516 855.68,1207.32 U1.42@915.35,1207.32
CHK_CARD_CHK_INTP4S: R106.1 U6.42 | length 754.5
  Top Layer w10: R106.1@3414,1768 3414,1417 3639.67,1191.33 U6.42@3724,1191.33
CHK_CARD_ERR: R97.1 U1.37 | length 587.5
  Top Layer w10: R97.1@847,1763 847,1722.93 861.31,1708.62 881.38,1708.62 929.62,1660.38 929.62,1523.38 955.13,1497.87 1017.57,1497.87 1039.38,1476.07 1039.38,1475.79 1059.05,1456.12 U1.37@1059.05,1311.65
CHK_CARD_ERRS: R110.1 U6.37 | length 541.1
  Top Layer w10: R110.1@3704,1769 3704,1731.28 3743,1692.28 3743,1559 3867.7,1434.3 U6.37@3867.7,1295.66
CHK_CARD_RST: R96.1 U1.39 | length 654
  Top Layer w10: R96.1@727,1763 727,1730 737,1720 770,1720 792,1698 818.28,1698 843.4,1672.87 865.13,1672.87 893.87,1644.13 893.87,1507.4 940.28,1461 998.28,1461 1019.68,1439.6 U1.39@1019.68,1311.65
CHK_CARD_RSTS: R109.1 U6.39 | length 605.3
  Top Layer w10: R109.1@3588,1768 3588,1732 3598,1722 3622,1722 3639,1705 3672,1705 3707,1670 3707,1543 3828.33,1421.67 U6.39@3828.33,1295.66
CHK_CARD_SCL: R95.1 U1.41 | length 697
  Top Layer w10: R95.1@607,1765 607,1482 861.99,1227.01 U1.41@915.35,1227.01
CHK_CARD_SCLS: R108.1 U6.41 | length 706.5
  Top Layer w10: R108.1@3472,1768 3472,1386 3646.99,1211.02 U6.41@3724,1211.02
CHK_CARD_SDA_RXD: R55.1 U1.43 | length 791
  Top Layer w10: R55.1@487,1763 487,1550.72 850.09,1187.64 U1.43@915.35,1187.64
CHK_CARD_SDA_RXD3S: R107.1 U6.43 | length 801.5
  Top Layer w10: R107.1@3356,1768 3356,1449.72 3634.08,1171.65 U6.43@3724,1171.65
CHK_WY_POW: R103.2 U1.38 | length 618
  Top Layer w10: R103.2@787,1763 787,1728.28 799.28,1716 825.56,1716 850.81,1690.75 872.53,1690.75 911.75,1651.53 911.75,1514.81 946.56,1480 1004.56,1480 1039.36,1445.19 U1.38@1039.36,1311.65
CHK_WY_POWS: R101.2 U6.38 | length 570.5
  Top Layer w10: R101.2@3647,1768 3647,1731.56 3655.68,1722.87 3681.13,1722.87 3725,1679 3725,1551 3848.02,1427.98 U6.38@3848.02,1295.66
CHK_WY_SCL: R104.1 U1.36 | length 560.6
  Top Layer w10: R104.1@907,1765 907,1708.28 947.5,1667.78 947.5,1531.5 963.25,1515.75 1024.97,1515.75 1057.25,1483.47 1057.25,1483.19 1078.73,1461.71 U1.36@1078.73,1311.65
CHK_WY_SCLS: R98.1 U6.36 | length 526.1
  Top Layer w10: R98.1@3762,1769 3761,1768 3761,1568 3887.39,1441.61 U6.36@3887.39,1295.66
CHK_WY_SDA: R105.1 U1.40 | length 687.3
  Top Layer w10: R105.1@667,1765 667,1738 679,1726 702,1726 727,1701 762,1701 785,1678 813,1678 836,1655 856,1655 876,1635 876,1500 933,1443 991,1443 999.99,1434.01 U1.40@999.99,1311.65
CHK_WY_SDAS: R102.1 U6.40 | length 638.7
  Top Layer w10: R102.1@3530,1768 3530,1733 3542,1721 3556,1721 3574,1703 3615,1703 3631,1687 3663,1687 3686,1664 3686,1538 3808.65,1415.35 U6.40@3808.65,1295.66
CSB_IRDA_RX: R3.2 U1.10 | length 1433.1
  Top Layer w10: U1.10@1458.65,1030.16 1562.16,1030.16 v1(1569,1037) ; v1(1767,1272) 1767,1363 1869,1465 2022,1465 2095,1538 R3.2@2095,1941
  Bottom Layer w10: v1(1569,1037) 1754,1037 1766,1049 1766,1271 v1(1767,1272)
CSB_IRDA_RXS: R40.1 U6.10 | length 2437.2
  Top Layer w10: R40.1@3002,1944 3002,1841 3057,1786 v1(3162,1786) ; U6.10@4267.31,1014.16 4408.17,1014.16 4420,1026 v1(4421,1026)
  Bottom Layer w10: v1(3162,1786) 4374,1786 4422.62,1737.38 4422.62,1027.62 v1(4421,1026)
CSB_IRDA_TX: R4.2 U1.7 | length 1531.8
  Top Layer w10: U1.7@1458.65,971.1 1558.1,971.1 v1(1570,983) ; v1(1801,1272) 1801,1371 1876,1446 2029,1446 2113,1530 2113,1848 2159,1894 R4.2@2159,1939
  Bottom Layer w10: v1(1570,983) 1572.68,985.69 1787.68,985.69 1801,999 v1(1801,1272)
CSB_IRDA_TXS: R41.1 U6.7 | length 3106.4
  Top Layer w10: R41.1@3103,1946 3103,1847 3141,1809 v1(3181,1809) ; U6.7@4267.31,955.11 4797.11,955.11 4824,982 4824,1597 4740,1681 v1(4612,1681)
  Bottom Layer w10: v1(3181,1809) 4379,1809 4507,1681 v1(4612,1681)
GATE_CHK1: P1.9 R8.2 R13.1 U1.78 | length 666.4
  Top Layer w10: P1.9@1117,255 1117,350 1132,365 1218,365 1236,383 1236,489 1252,505 R8.2@1272,505 1272,574 R13.1@1271,575 1310,614 1310,688 1334.64,712.64 U1.78@1334.64,768.35
GATE_CHK1S: P6.9 R79.2 R84.1 U6.78 | length 555.9
  Top Layer w10: P6.9@4000,259 4036,295 4036,455 R79.2@4080,499 4079,500 R84.1@4079,564 4083,564 v1(4124,605) ; v1(4130,685) 4130,687 4143.29,700.29 U6.78@4143.29,752.35
  Bottom Layer w10: v1(4124,605) 4124,679 v1(4130,685)
GATE_CHK2: P1.10 R7.2 R12.1 U1.79 | length 963.9
  Top Layer w10: P1.10@1117,155 1165,203 1165,331 1181.13,347.13 1268.13,347.13 1300,379 v1@1351,379 ; v1(1313,539) 1349,539 1351,541 ; R7.2@1347,501 R7.2@1351,505 1351,541 ; R12.1@1350,562 R12.1@1351,561 ; R12.1@1353,575 1351,573 R12.1@1351,561 ; U1.79@1354.32,768.35 1354.32,693.68 v1@1355,693 ; 1351,541 R12.1@1351,561
  Bottom Layer w10: P1.10@1117,155 P1.10@1131,155 ; v1(1313,539) 1353,539 1354,540 ; v1(1353,379) 1354,380 1354,540 ; v1(1354,693) 1354,540
GATE_CHK2S: P6.10 R78.2 R83.1 U6.79 | length 745.2
  Top Layer w10: v1(4123,459) 4125,459 R78.2@4164,498 R83.1@4164,563 4159,558 v1(4123,558) ; v1(4162.98,684.98) U6.79@4162.98,752.35
  Bottom Layer w10: P6.10@4000,159 4031,159 4051,179 4051,315 4123,387 v1(4123,459) ; v1(4123,558) 4123,569 4162.98,608.98 v1(4162.98,684.98)
GD: P1.7 R22.2 R27.1 U1.80 | length 774.7
  Top Layer w10: P1.7@1217,255 1217,318 1228.25,329.25 1277.25,329.25 1302,354 1376,354 v1(1393,371) ; U1.80@1374.01,768.35 1374.01,709.9 v1@1393,690.91 ; v1(1394,539) 1430,539 1431,540 ; R27.1@1429,564 R27.1@1431,562 ; R22.2@1431,505 1431,540 ; R27.1@1431,575 R27.1@1431,562 ; 1431,540 R27.1@1431,562
  Bottom Layer w10: v1(1393,688) 1395,686 1394,685 v1(1394,539) v1@1394,371
GDS: P6.7 R77.2 R82.1 U6.80 | length 620.2
  Top Layer w10: U6.80@4182.66,752.35 4182.66,700.2 4195,687.86 v1(4195,686) ; v1(4209,460) 4214,460 R77.2@4252,498 ; v1(4209,558) 4248,558 R82.1@4252,562 R77.2@4252,498 ; R77.2@4253,497 R77.2@4252,498
  Bottom Layer w10: P6.7@4100,259 4100,319 4209,428 v1(4209,460) ; v1(4195,686) 4209,672 v1(4209,558)